# KiCad board RADAR_Main_Board_FIXED.kicad_pcb (continued)
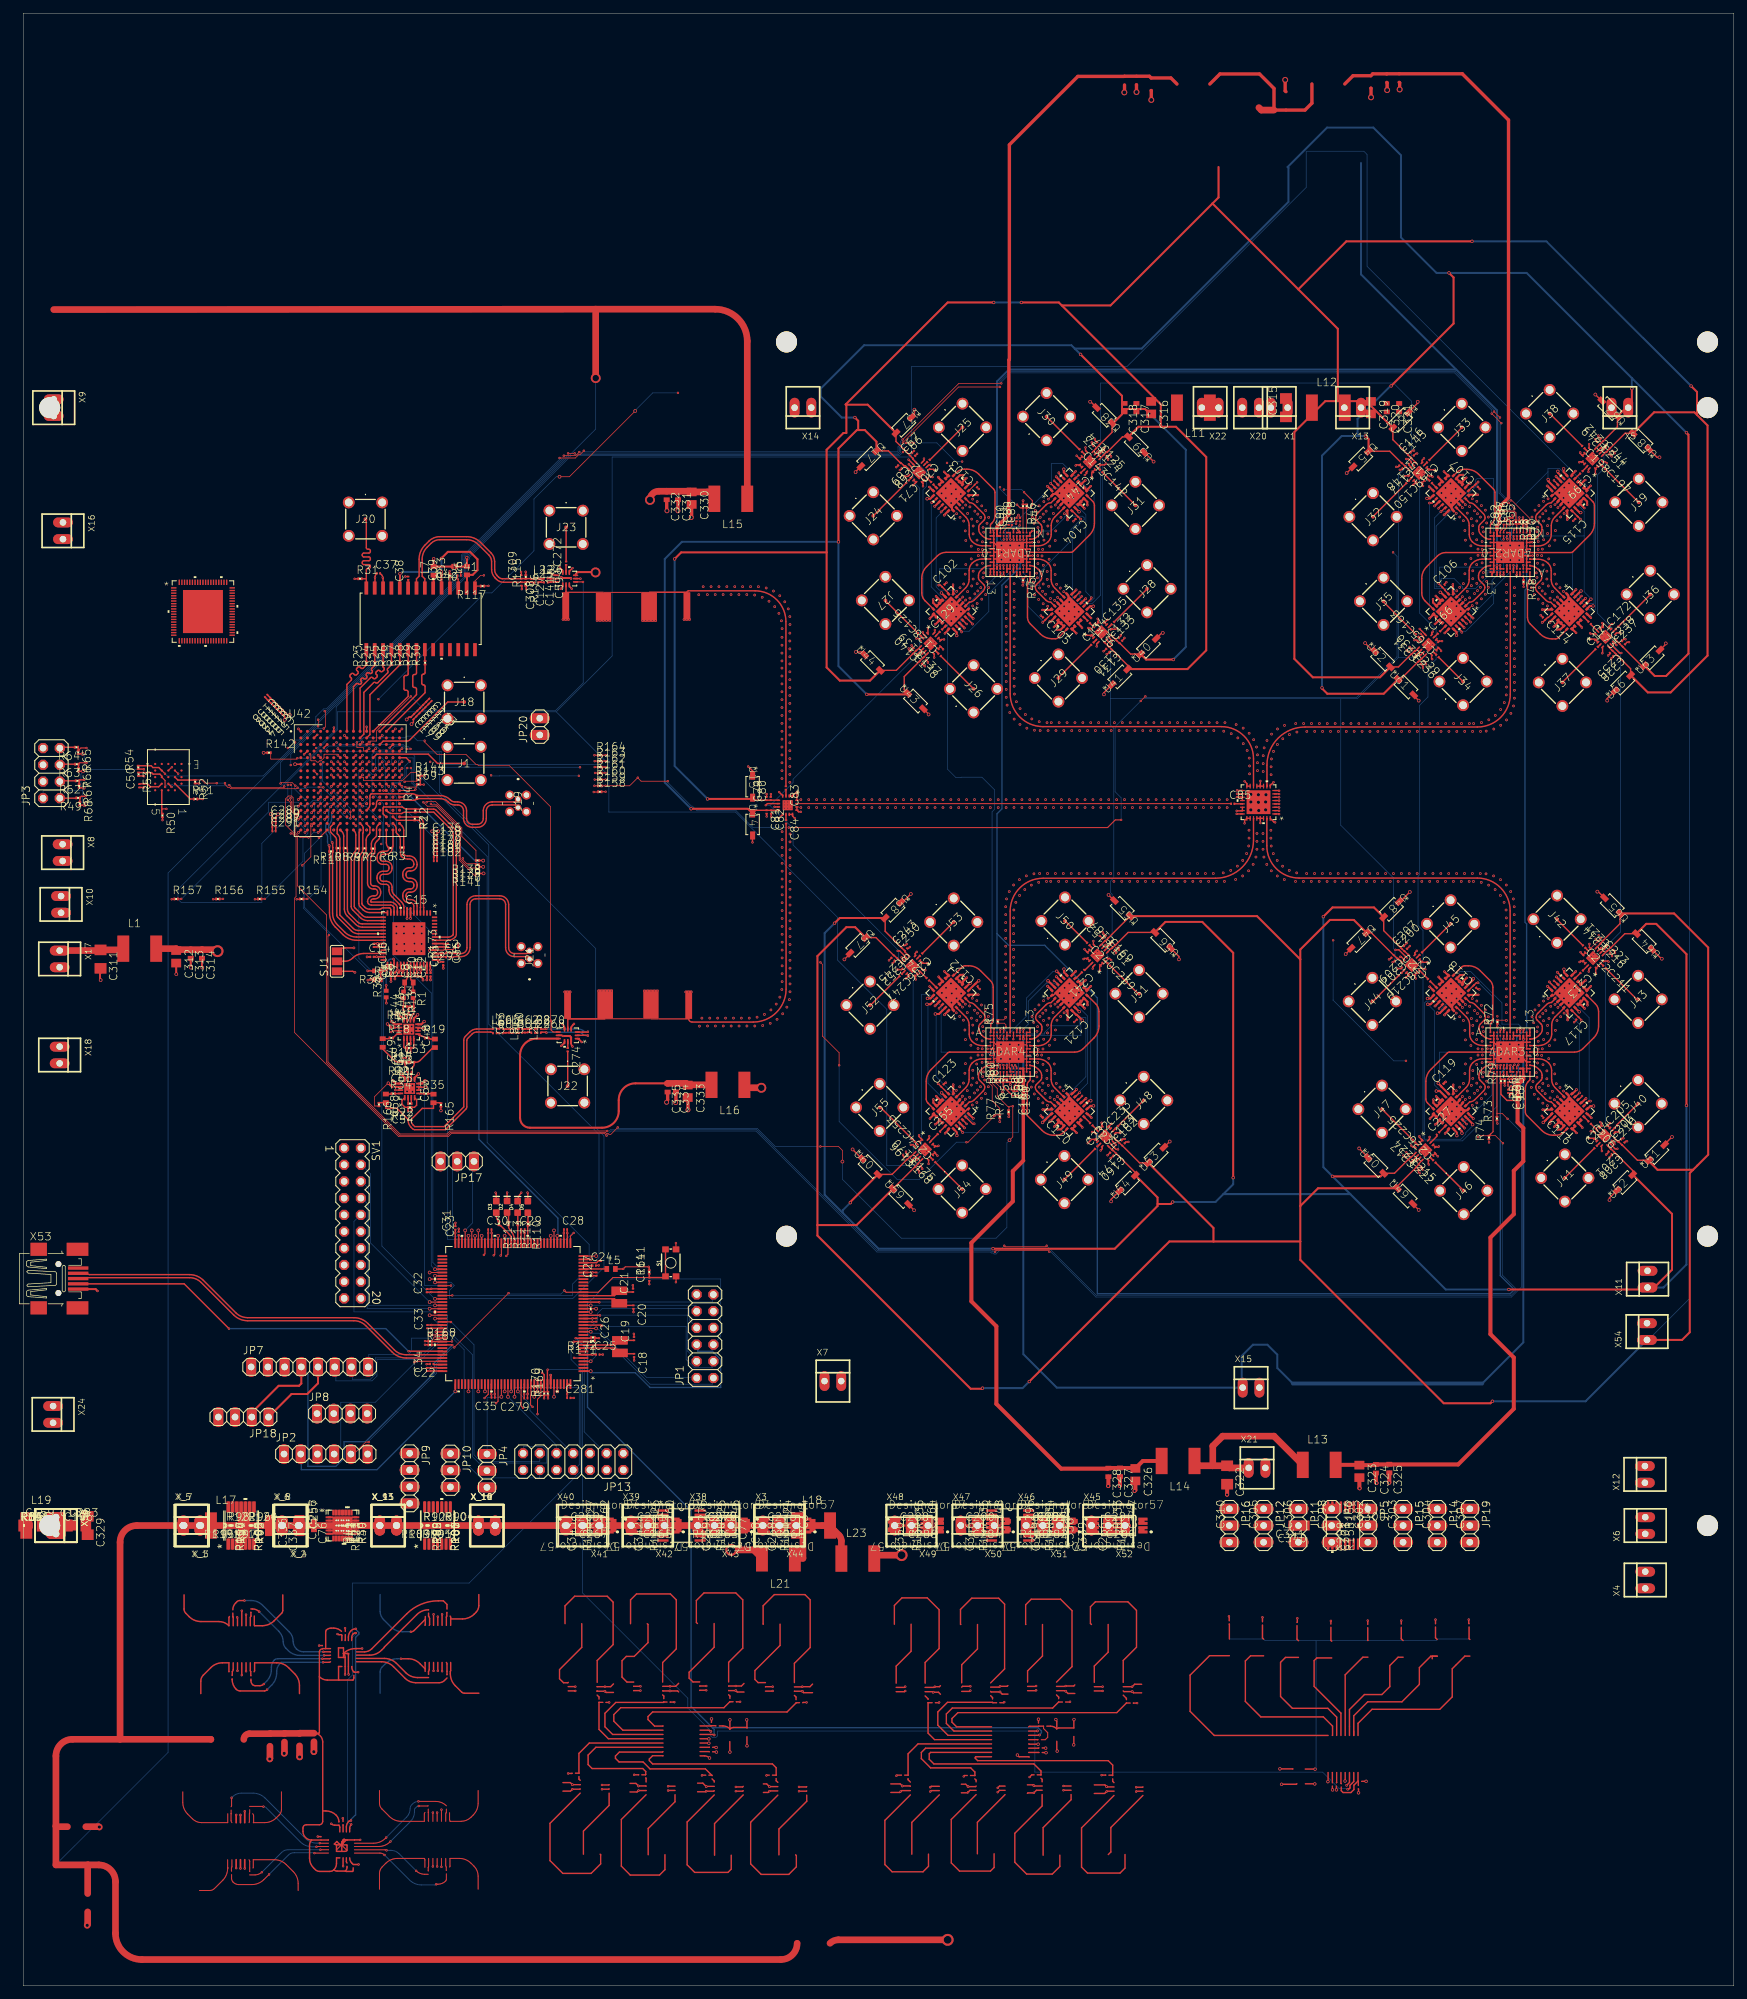
[diagram p0: board, top side]
## Routing (per net, layer and track width the routed paths; a pad name or vN(x,y) marks a point on that pad's centre or on a via; arc(x,y) is an arc through that point) (continued)
RX3_1: length 9
  Top w0.204: ADAR1_0.E1 153,216.98 154.24,216.98 arc(155.07,216.82) 155.77,216.35 arc(156.11,215.84) 156.23,215.23 156.23,213.87 arc(156.37,213.19) 156.76,212.6 158.13,211.23 ; 158.17,211.19 158.13,211.23 ; 158.13,211.23 158.15,211.25 ADTR1107_2.2
RX3_2: length 9.1
  Top w0.204: 234.18,211.17 234.12,211.22 ; 234.12,211.22 234.15,211.25 ADTR1107_6.2 ; 234.12,211.22 232.77,212.58 arc(232.38,213.17) 232.24,213.85 232.24,215.21 arc(232.12,215.82) 231.78,216.33 arc(231.08,216.8) 230.25,216.96 229.01,216.96 ADAR2_0.E1
RX3_3: length 9.1
  Top w0.204: 223.07,143 ADAR3_0.E1 221.83,143 arc(221,143.16) 220.3,143.63 arc(219.96,144.14) 219.84,144.75 219.84,146.11 arc(219.7,146.79) 219.31,147.38 217.9,148.79 217.85,148.75 ADTR1107_11.2
RX3_4: length 9
  Top w0.204: 141.85,148.75 ADTR1107_15.2 ; 141.85,148.75 141.83,148.77 ; 141.85,148.75 143.24,147.36 arc(143.63,146.77) 143.77,146.09 143.77,144.73 arc(143.89,144.12) 144.23,143.61 arc(144.93,143.14) 145.76,142.98 147,142.98 ADAR4_0.E1
RX4_1: length 9
  Top w0.204: 156.81,226.14 156.8,226.15 ADTR1107_4.2 ; 156.81,226.14 156.83,226.16 ; 156.81,226.14 156.22,225.54 arc(155.81,225.46) 155.46,225.23 154.13,223.9 arc(153.93,223.6) 153.86,223.26 arc(153.9,223.05) 154.02,222.88 154.66,222.24 arc(154.78,222.06) 154.82,221.86 154.82,221.5 arc(154.74,221.09) 154.51,220.75 154.25,220.49 arc(153.7,220.12) 153.04,219.99 ADAR1_0.L1
RX4_2: length 9.1
  Top w0.204: ADAR2_0.L1 229.05,219.97 arc(229.71,220.1) 230.26,220.47 230.52,220.73 arc(230.75,221.07) 230.83,221.48 230.83,221.84 arc(230.79,222.04) 230.67,222.22 230.03,222.86 arc(229.91,223.03) 229.87,223.24 arc(229.94,223.58) 230.14,223.88 231.47,225.21 arc(231.82,225.44) 232.23,225.52 232.83,226.12 ; ADTR1107_8.2 232.8,226.15 232.83,226.12 ; 232.84,226.14 232.83,226.12
RX4_3: length 9
  Top w0.204: 219.26,133.84 219.25,133.85 ADTR1107_9.2 ; 219.26,133.84 219.85,134.44 arc(220.26,134.52) 220.61,134.75 221.94,136.08 arc(222.14,136.38) 222.21,136.72 arc(222.17,136.93) 222.05,137.1 221.41,137.74 arc(221.29,137.92) 221.25,138.12 221.25,138.48 arc(221.33,138.89) 221.56,139.23 221.82,139.49 arc(222.36,139.85) 223,139.99 ; 219.26,133.84 219.24,133.82 ; ADAR3_0.L1 223,139.99 ; 223,139.99 arc(223.02,139.99) 223.03,139.99
RX4_4: length 9.1
  Top w0.204: 143.17,133.8 143.23,133.87 ; 143.23,133.87 143.78,134.42 arc(144.19,134.5) 144.54,134.73 145.87,136.06 arc(146.07,136.36) 146.14,136.7 arc(146.1,136.91) 145.98,137.08 145.34,137.72 arc(145.22,137.9) 145.18,138.1 145.18,138.46 arc(145.26,138.87) 145.49,139.21 145.75,139.47 arc(146.3,139.84) 146.96,139.97 ADAR4_0.L1 ; 143.23,133.87 143.25,133.85 ADTR1107_13.2
STEPPER_CLK+: length 23.3
  Top w0.15: U2.119 70.66,89.96 v1(70.1,89.4)
  In7.Cu w0.1: v1(70.1,89.4) 70,89.5 70,87.5 59.75,77.25 59.75,74.5 58.75,73.5 JP9.4
STEPPER_CW+: length 17.8
  Top w0.152: U2.118 v5(70.16,90.4)
  In7.Cu w0.1: JP9.2 58.75,78.5 58.75,79 70,90.25 v5(70.16,90.4)
STM32_MISO1: length 161.8
  Top w0.15: U42.G14 v2(55.55,185.15)
  Top w0.152: U2.42 v5(80.66,114.88)
  In5.Cu w0.1: v5(80.66,114.88) 80.5,115 80.5,118 61.25,137.25 60.5,137.25 18.25,179.5 12,179.5 11,180.5 9.25,180.5 9,180.75 8.5,180.75 8.5,187.5 8.75,187.75 8.75,188.5 9.25,189 10,189 12.5,186.5 17.5,186.5 20.25,183.75 55,183.75 55,184.5 55.5,185 v2(55.55,185.15)
STM32_MISO4: length 43.7
  Top w0.152: U2.4 v5(86.24,94.98)
  In7.Cu w0.1: v5(86.24,94.98) 86.25,94.75 91,90 91,81 JP13.1
  Bottom w0.1: JP1.8 102.25,100.25 101.25,101.25 101.25,103 88,103 87.25,102.25 87.25,101.25 85.75,99.75 85.75,99.25 87,98 87,95.75 86.25,95 v5(86.24,94.98)
STM32_MISO_1V8: length 615.9
  Top w0.15: U42.N3 v2(43.81,178.41) ; v1(148.47,140.03) 148.5,140 ADAR4_0.M4
  Top w0.152: R164.2 88.49,187.14 v1(88.5,187.15)
  Top w0.2: v1(151.55,219.9) 151.5,219.95 ADAR1_0.M4 ; ADAR3_0.M4 224.5,139.98 v1(224.55,140.03) ; ADAR2_0.M4 227.53,220.48 v1(227.53,220)
  In5.Cu w0.1: v1(151.55,219.9) 151.5,219.75 150.25,218.5 148.5,218.5 147.75,219.25 145,219.25 141.25,215.5 118,215.5 114.25,211.75 113.75,211.75 89,187 ; 89,187 89,185.25 88.75,185 86.75,185 79.25,177.5 54.25,177.5 53.75,177 45.25,177 45.25,177.5 44.75,178 44.5,178 44,178.5 v2(43.81,178.41) ; 89,187 88.5,187 v1(88.5,187.15)
  In7.Cu w0.1: v1(227.53,220) 227.5,220 222.25,225.25 222.25,230.5 218.5,234.25 162.25,234.25 161.5,233.5 159.5,233.5 152.75,226.75 152.75,221.25 151.5,220 v1(151.55,219.9)
  Bottom w0.1: v1(151.55,219.9) 151.5,220 ADAR1_0.M4 154.25,220.5 154.5,220.75 154.5,221.25 156.25,221.25 158.25,223.25 158.25,223.5 161,223.5 161.25,223.25 161.25,223 159.5,221.25 159.5,210.25 162.5,210.25 163.75,211.5 163.75,243.75 208.25,243.75 211,241 211,230.25 212.25,229 212.25,208.75 214.75,206.25 214.75,201.75 213.5,200.5 213.5,196 212.25,194.75 212.25,169 212,168.75 212,161.25 212.75,160.5 212.75,128.5 218.75,128.5 224,133.75 224,139.5 224.5,140 v1(224.55,140.03) ; 148.5,140 v1(148.47,140.03) 146.5,142 139.5,142 139.5,149 137.75,150.75 136.5,150.75 136.5,127.75 136,127.25 136,126 136.25,125.75 136.25,125.5 135.5,124.75 131.25,124.75 131.25,148.5 123.75,156 123.75,162.5 115.75,170.5 115.75,171 108.25,178.5 89,178.5 89,186.5 88.5,187 v1(88.5,187.15)
STM32_MOSI1: length 159.9
  Top w0.15: U42.H13 v2(54.55,184.15)
  Top w0.152: U2.43 v5(80.16,114.06)
  In5.Cu w0.1: v5(80.16,114.06) 80,114.25 80,117.75 64.25,133.5 63.5,133.5 17.75,179.25 11.75,179.25 10.75,180.25 9,180.25 8.75,180.5 8.25,180.5 8.25,187.75 8.5,188 8.5,188.75 9,189.25 10.25,189.25 12.75,186.75 17.75,186.75 19.75,184.75 54,184.75 54.5,184.25 v2(54.55,184.15)
STM32_MOSI4: length 42.1
  Top w0.152: U2.5 83.72,95.48 v1(83.7,95.5)
  In5.Cu w0.1: JP1.7 104.75,100 103.25,98.5 88,98.5 85,95.5 v1(83.7,95.5)
  Bottom w0.1: JP13.3 88.5,81 85.25,84.25 85.25,95.5 v1(83.7,95.5)
STM32_MOSI_1V8: length 672.2
  Top w0.15: v1(148.97,140.03) 149,140 ADAR4_0.M5 ; U42.M1 v2(41.81,179.41)
  Top w0.152: v1(88.5,186.25) 87.88,186.25 R163.2
  Top w0.2: v1(225.05,140.03) 225,139.98 ADAR3_0.M5 ; ADAR1_0.M5 151,219.95 v1(151.05,219.9) ; v1(227.03,220) 227.03,220.48 ADAR2_0.M5
  In5.Cu w0.1: v1(88.5,186.25) 88,186.25 88,189 111,212 111.5,212 115.25,215.75 140.25,215.75 144.75,220.25 146.25,220.25 146.75,220.75 150.25,220.75 151,220 v1(151.05,219.9)
  In7.Cu w0.1: v1(227.03,220) 227,220 228.5,218.5 228.5,171 223.5,166 223.5,141.5 224.5,140.5 224.75,140.5 225,140.25 225,140 v1(225.05,140.03)
  Bottom w0.1: v1(227.03,220) 227,220 229,218 235.5,218 235.5,211.75 238,209.25 239,209.25 239,226.75 204.25,261.5 204.25,278.5 203.75,279 195,279 195,273.5 167.75,246.25 135,246.25 135,232.5 ; v2(41.81,179.41) 41.75,179.25 36.25,173.75 36.25,164.75 24,164.75 23.5,165.25 23.5,166.75 47.75,191 47.75,193.75 81,193.75 ; 149,140 v1(148.97,140.03) 147,142 147,147 147.25,147.25 147.25,178.54 147.62,178.91 147.62,181.9 145.71,183.8 142.56,183.8 142.54,183.79 141.71,183.79 140.5,185 140.5,207.25 136.75,211 136.75,227.5 137.25,228 137.25,230.25 135,232.5 ; 135,232.5 89.5,232.5 89.5,202.25 81,193.75 ; 81,193.75 v1(88.5,186.25)
STM32_NRST: length 65
  Top w0.1: v1(73.75,105.35) v1(65.5,97.1) ; v1(52.5,82.7) 52.05,82.7 50.25,80.9 49.8,80.9 JP2.5
  Top w0.15: v1(82.23,105.75) 82.24,105.75 82.5,105.48 U2.25 87.38,105.48 89.62,107.72 C164.2
  Top w0.204: S1.3 S1.4 arc(97.41,107.77) 97.18,107.72 C164.2 R111.1
  Bottom w0.1: v1(82.23,105.75) 82.2,105.7 81.7,105.2 73.9,105.2 v1(73.75,105.35) ; v1(65.5,97.1) 65.25,97.1 62.8,94.65 62.8,93.15 52.5,82.85 v1(52.5,82.7)
STM32_OSC_32_N: length 8.1
  Top w0.204: U2.8 85.15,97 89.94,97 XTAL3.2 90.81,96.13 C18.1
STM32_OSC_32_P: length 8
  Top w0.204: U2.9 85.15,97.46 89.98,97.46 XTAL3.1 92.81,98.16 C19.1
STM32_OSC_N: length 8
  Top w0.204: U2.23 85.15,104.5 89.85,104.5 90.55,103.8 XTAL1.2 90.9,103.48 C20.1
STM32_OSC_P: length 7.9
  Top w0.204: C21.1 90.76,105.52 XTAL1.1 90.58,105.69 89.85,104.96 85.15,104.96 U2.24
STM32_RX3: length 14.1
  Top w0.152: U2.70 v1(66.66,113.96)
  Bottom w0.1: JP17.2 65.75,125.25 65.25,124.75 65.25,114 66.5,114 v1(66.66,113.96)
STM32_RX5: length 22.1
  Top w0.152: U2.116 v5(69.16,90.4)
  In5.Cu w0.1: JP8.3 49.75,87.25 50.5,88 66.75,88 69,90.25 v5(69.16,90.4)
STM32_SCL1: length 88.3
  Top w0.204: 49.1,23.41 49.1,24.16 arc(49.19,24.61) 49.45,25 49.46,25.01 arc(49.62,25.11) 49.8,25.15 arc(49.8,25.15) v1(49.8,25.14) ; v1(50.55,54.3) 50.52,54.3 arc(50.13,54.22) 49.8,54 arc(49.51,53.57) 49.41,53.06 49.41,52.52 ; v1(78.85,93.25) 79.16,92.94 U2.136 79.16,90.35 arc(79.16,90.34) R170.2
  In7.Cu w0.204: v1(78.85,93.25) 78.75,93.25 75.25,89.75 75.25,87.25 66,78 66,72.75 50.5,57.25 50.5,54.25 v1(50.55,54.3)
  Bottom w0.204: v1(49.8,25.14) 49.75,25.25 50.5,26 50.5,53 51,53.5 51,53.75 50.5,54.25 v1(50.55,54.3)
STM32_SCL2: length 178.3
  Top w0.204: v1(83.95,98.5) 83.97,98.48 U2.11 85.99,98.48 arc(86.17,98.52) R172.2 ; v2(201.15,30.5) 201.57,30.93 201.57,32.44 ; 152.81,38.09 154.31,38.09 arc(154.39,38.11) 154.45,38.15 arc(154.45,38.15) v2(154.45,38.15) ; 102.86,38.23 104.81,38.23 arc(104.91,38.21) v2(105,38.15)
  In5.Cu w0.204: v2(201.15,30.5) 197.25,30.5 191.75,36 157.5,36 155.5,38 154.5,38 v2(154.45,38.15)
  Bottom w0.204: 104.75,39.25 105,39 v2(105,38.15) ; 104.75,39.25 154.25,39.25 154.75,38.75 154.75,38.5 154.5,38.25 v2(154.45,38.15) ; 104.75,39.25 101.5,42.5 101.5,72.25 85.75,88 85.75,96.75 84,98.5 v1(83.95,98.5)
STM32_SCL3: length 63.2
  Top w0.204: R167.2 U2.100 65.17,97.48 v1(65.2,97.45)
  Top w0.3: JP7.4 42.25,91.6 41.9,91.25 38.8,91.25 34.72,87.17 JP18.2
  Bottom w0.204: JP7.4 42.25,94 43.25,93 43.25,79 47.5,79 48.75,80.25 48.75,82.75 52,82.75 62.5,93.25 62.5,94.75 v1(65.2,97.45) 65.25,97.5
STM32_SCLK1: length 79.9
  Top w0.204: U2.41 v5(81.16,114.06) ; U42.J16 v2(57.55,182.41)
  Bottom w0.204: v2(57.55,182.41) 57.5,182.25 69.25,170.5 69.25,128.75 81.25,116.75 81.25,114.25 v5(81.16,114.06)
STM32_SCLK4: length 49.9
  Top w0.204: U2.1 v5(86.24,93.48)
  In5.Cu w0.204: v5(86.24,93.48) 86.25,93.25 87.25,93.25 87.25,81 88.25,80 89.5,80 91,78.5 JP13.2
  Bottom w0.204: JP1.6 102.5,97.5 102.5,96.5 104.75,96.5 106,95.25 106,91 95.25,91 93,93.25 86.25,93.25 v5(86.24,93.48)
STM32_SCLK_1V8: length 481
  Top w0.204: v1(88.5,185.35) 88.49,185.34 R162.2 ; ADAR4_0.M6 149.5,139.98 v1(149.47,140) ; v1(150.55,219.93) 150.5,219.98 ADAR1_0.M6 ; ADAR3_0.M6 225.5,139.95 v1(225.55,140) ; ADAR2_0.M6 226.53,220.48 v1(226.53,220.03) ; U42.P5 v2(45.81,177.41)
  In5.Cu w0.204: v1(88.5,185.35) 88.5,185.5 88.25,185.75 68.5,185.75 60.75,178 47.5,178 47,177.5 46,177.5 v2(45.81,177.41)
  In7.Cu w0.204: v1(88.5,185.35) 88.5,185.5 102.25,199.25 102.25,212.5 124,234.25 143,234.25 149.5,227.75 149.5,221.25 150.5,220.25 150.5,220 v1(150.55,219.93)
  Bottom w0.204: 148,160 148,178.25 148.75,179 148.75,213 151.5,215.75 151.5,216.25 152,216.75 152,218 151.5,218.5 150.5,218.5 150.5,220 v1(150.55,219.93) ; 148,160 149.75,158.25 155.25,158.25 163.25,150.25 163.25,105.25 226,105.25 226.5,105.75 226.5,106 224.5,108 224.5,138.75 225.5,139.75 225.5,140 ; 148,160 148,141.5 148.75,141.5 149.5,140.75 149.5,140 v1(149.47,140) ; 225.5,140 v1(225.55,140) ; 225.5,140 225.5,141.25 225.75,141.5 226.75,141.5 226.75,143.5 227,143.75 227,144.25 227.75,145 228.5,145 228.5,161.5 228.25,161.75 228.25,212.25 228.5,212.5 228.5,217.5 227.5,218.5 226.5,218.5 226.5,220 v1(226.53,220.03)
STM32_SDA1: length 106.7
  Top w0.204: v1(79.7,93.7) 79.66,93.66 U2.137 79.66,90.47 arc(79.68,90.39) R169.2 ; 49.6,23.41 49.6,23.95 arc(49.67,24.27) 49.85,24.55 arc(49.84,24.55) v1(49.84,24.56) ; 49.91,52.52 49.91,52.97 arc(49.97,53.28) 50.15,53.55 arc(50.26,53.62) 50.39,53.65 v1(50.55,53.65)
  Bottom w0.1: v1(79.7,93.7) 79.75,93.75 84.75,93.75 84.75,78.25 67.75,61.25 50,61.25 50,53 ; 50,53 50.5,53.5 v1(50.55,53.65) ; 50,53 50,47.25 49.25,46.5 49.25,25 49.75,24.5 v1(49.84,24.56)
STM32_SDA2: length 183.6
  Top w0.2: 152.81,38.74 154.13,38.74 arc(154.14,38.75) 154.15,38.75 arc(154.15,38.76) v2(154.14,38.77) ; 102.86,38.88 104.07,38.88 arc(104.3,38.83) v2(104.5,38.7)
  Top w0.204: v2(201.3,29.9) 201.45,29.9 201.65,30.1 201.65,30.5 202.22,31.07 202.22,32.44 ; v1(83.65,97.95) 83.68,97.98 U2.10 86.11,97.98 arc(86.23,98) R171.2
  Bottom w0.1: 153.75,38.75 154,38.75 v2(154.14,38.77) ; 153.75,38.75 153.75,32.5 197.5,32.5 200,30 201.25,30 v2(201.3,29.9) ; 153.75,38.75 105.5,38.75 105.5,38 105.25,37.75 104.75,37.75 104.5,38 v2(104.5,38.7) 104.5,38.75 101,42.25 101,43.75 85,59.75 85,94 84.5,94 83.25,95.25 83.25,97.75 83.5,98 v1(83.65,97.95)
STM32_SDA3: length 37.2
  Top w0.15: v1(65.15,98) 65.13,97.98 U2.99
  Top w0.204: U2.99 62.2,97.98 arc(62.13,97.99) R168.2
  Top w0.3: JP18.1 40.76,90 43.15,90 44.79,91.64 JP7.5
  In5.Cu w0.1: JP7.5 45,94.25 46,95.25 62.25,95.25 65,98 v1(65.15,98)
STM32_SWCLK: length 31.8
  Top w0.204: U2.109 v5(65.66,90.4)
  Bottom w0.204: v5(65.66,90.4) 65.5,90.25 53.75,78.5 42.25,78.5 42.25,80.75 JP2.2
STM32_SWDIO: length 26.4
  Top w0.15: U2.105 59.58,94.98 v1(59.45,94.85)
  Bottom w0.1: v1(59.45,94.85) 59.5,94.75 53.5,88.75 48.25,88.75 48.25,82 47.25,81 JP2.4
STM32_SWO: length 30.9
  Top w0.152: U2.133 v5(77.66,89.58)
  In5.Cu w0.1: v5(77.66,89.58) 77.5,89.5 77,89 68.25,89 61.25,82 53.5,82 52.5,81 JP2.6
STM32_TX3: length 13
  Top w0.152: U2.69 v5(67.16,114.88)
  Bottom w0.1: JP17.1 68.25,125.25 68.25,116 67.25,115 v5(67.16,114.88)
STM32_TX5: length 23.1
  Top w0.152: U2.113 v5(67.66,90.4)
  In5.Cu w0.1: JP8.2 47.25,87.25 48.25,88.25 65.5,88.25 67.5,90.25 v5(67.66,90.4)
STM32_USB_FS_D_N: length 60
  Top w0.204: U2.103 58.17,95.98 arc(57.2,96.17) 56.38,96.72 52.37,100.73 arc(51.39,101.39) 50.24,101.61 34.09,101.61 arc(33.12,101.81) 32.29,102.36 27.37,107.28 arc(26.39,107.94) 25.24,108.16 10.1,108.16 arc(9.86,108.21) 9.65,108.35 arc(9.64,108.36) 9.63,108.36 X53.2
STM32_USB_FS_D_P: length 60
  Top w0.204: U2.104 58.21,95.48 arc(57.06,95.71) 56.08,96.36 52.04,100.41 arc(51.21,100.96) 50.24,101.15 34.09,101.15 arc(32.94,101.38) 31.96,102.03 27.04,106.96 arc(26.21,107.51) 25.24,107.7 8.67,107.7 arc(8.49,107.66) X53.3
STM32_USB_FS_ID: length 59.6
  Top w0.204: U2.102 63.69,96.48 ; 63.69,96.48 63.69,96.48 ; 63.69,96.48 63.65,96.52 v1(58.55,96.52) ; X53.4 24.44,106.76 v1(31.25,99.95)
  Bottom w0.204: v1(58.55,96.52) 58.55,96.5 55.1,99.95 v1(31.25,99.95)
TR_SW_POS_1: length 81.5
  Top w0.2: ADTR1107_3.20 138.2,225.58 v2(138.07,225.58) ; ADTR1107_1.20 142.62,206 v2(142.62,205.9) ; ADTR1107_4.20 157.4,229.98 v2(157.4,230.1) ; v2(162.32,211.1) 162.32,210.95 ADTR1107_2.20 ; v1(151.05,216.05) 151,216 ADAR1_0.B5
  Bottom w0.1: v2(157.4,230.1) 157.5,230 157.5,227.75 ; 151,216 151,216.5 149.5,218 149.5,219 148.5,220 148.5,222.75 151,222.75 156,227.75 157.5,227.75 ; 151,216 v1(151.05,216.05) ; 151,216 146.75,211.75 146.75,209 143.75,206 142.75,206 v2(142.62,205.9) 142.5,206 142.5,208.25 138,212.75 138,225.5 v2(138.07,225.58) ; 157.5,227.75 161.5,223.75 161.5,212 162.25,211.25 v2(162.32,211.1)
TR_SW_POS_2: length 80
  Top w0.2: v1(227.03,216) 227,215.98 ADAR2_0.B5 ; v2(213.72,225.5) 214.12,225.5 ADTR1107_7.20 ; ADTR1107_5.20 218.65,205.97 v2(218.65,205.85)
  Top w0.3: v3(238.27,210.88) 238.25,210.88 ADTR1107_6.20 ; ADTR1107_8.20 233.25,230.13 v3(233.25,230.33)
  Bottom w0.1: v2(213.72,225.5) 213.75,225.5 213.75,210 217.75,206 218.75,206 ; 218.75,206 v2(218.65,205.85) ; 218.75,206 219.25,206 223.5,210.25 223.5,212.5 227,216 ; 237.25,220.5 237.25,224.25 236,225.5 236,226.75 233.5,229.25 233.5,230 233.25,230.25 v3(233.25,230.33) ; 237.25,220.5 226.5,220.5 226,220 226,219.75 225.5,219.25 225.5,218 227,216.5 227,216 ; 237.25,220.5 237.25,212 238.25,211 v3(238.27,210.88) ; 227,216 v1(227.03,216)
TR_SW_POS_3: length 80.1
  Top w0.2: v2(238.2,134.55) 237.93,134.55 ADTR1107_10.20 ; v2(233.17,154.15) 234.12,153.21 ADTR1107_12.20 ; ADAR3_0.B5 225,144.03 v1(224.97,144)
  Top w0.3: ADTR1107_11.20 213.9,149.28 v3(213.47,149.28) ; ADTR1107_9.20 218.67,129.95 v3(218.67,129.68)
  In7.Cu w0.1: v1(224.97,144) 225,144 ADAR3_0.B5 227.5,147 227.5,149.5 232.25,154.25 233,154.25 v2(233.17,154.15)
  Bottom w0.1: 238.25,134.5 v2(238.2,134.55) 238,134.75 238,147.25 233.5,151.75 233.5,153.75 233.25,154 v2(233.17,154.15) ; v3(218.67,129.68) 218.5,129.75 218.5,130.75 219.25,131.5 ; v1(224.97,144) 225,144 225,143 224.5,142.5 223.75,142.5 223.75,140.25 223.25,139.75 223.25,135.5 219.25,131.5 ; 219.25,131.5 216.75,134 216.75,134.75 214.5,137 214.5,148.25 v3(213.47,149.28)
TR_SW_POS_4: length 88.7
  Top w0.15: ADAR4_0.B5 149,144.03 v1(148.95,143.98)
  Top w0.2: v2(142.78,129.78) 142.78,129.85 ADTR1107_13.20
  Top w0.3: ADTR1107_16.20 157.08,154.3 v3(157.07,154.3) ; v3(137.35,149.28) 137.9,149.28 ADTR1107_15.20 ; ADTR1107_14.20 161.98,134.6 v3(162.25,134.6)
  Bottom w0.1: v3(137.35,149.28) 137.5,149.25 137.5,137.25 142.25,132.5 142.25,130.25 142.75,129.75 ; 149,144 v1(148.95,143.98) ; 149,144 152.5,147.5 152.5,150.25 156.5,154.25 157,154.25 v3(157.07,154.3) 157.25,154.25 157.25,154 158.25,154 162.25,150 v3(162.25,134.6) ; 149,144 149,143.5 150.25,142.25 150.25,141.25 151.25,140.25 151.25,129.75 142.75,129.75 ; 142.75,129.75 v2(142.78,129.78)
TX1_1: length 9
  Top w0.204: ADTR1107_3.5 143.82,225.55 arc(144.23,225.47) 144.58,225.24 145.91,223.91 arc(146.11,223.61) 146.18,223.27 arc(146.14,223.06) 146.02,222.89 145.38,222.25 arc(145.26,222.07) 145.22,221.87 145.22,221.51 arc(145.3,221.1) 145.53,220.76 145.79,220.5 arc(146.34,220.13) ADAR1_0.L13
TX1_2: length 9.1
  Top w0.204: ADAR2_0.L13 223,219.98 ; 223,219.98 arc(222.35,220.11) 221.8,220.48 221.54,220.74 arc(221.31,221.08) 221.23,221.49 221.23,221.85 arc(221.27,222.05) 221.39,222.23 222.03,222.87 arc(222.15,223.04) 222.19,223.25 arc(222.12,223.59) 221.92,223.89 220.59,225.22 arc(220.24,225.45) 219.83,225.53 219.23,226.13 ; 223,219.98 arc(223,219.98) 223.01,219.98 ; 219.23,226.13 219.25,226.15 ADTR1107_7.5 ; 219.23,226.13 219.22,226.15
TX1_3: length 9.1
  Top w0.204: ADAR3_0.L13 229.07,139.98 arc(229.73,139.85) 230.28,139.48 230.54,139.22 arc(230.77,138.88) 230.85,138.47 230.85,138.11 arc(230.81,137.91) 230.69,137.73 230.05,137.09 arc(229.93,136.92) 229.89,136.71 arc(229.96,136.37) 230.16,136.07 231.49,134.74 arc(231.84,134.51) 232.25,134.43 232.81,133.86 ; 232.86,133.81 232.81,133.86 ; 232.81,133.86 232.8,133.85 ADTR1107_10.5
TX1_4: length 9.1
  Top w0.204: 156.74,133.84 156.18,134.41 arc(155.77,134.49) 155.42,134.72 154.09,136.05 arc(153.89,136.35) 153.82,136.69 arc(153.86,136.9) 153.98,137.07 154.62,137.71 arc(154.74,137.89) 154.78,138.09 154.78,138.45 arc(154.7,138.86) 154.47,139.2 154.21,139.46 arc(153.66,139.83) 153,139.96 ADAR4_0.L13 ; 156.74,133.84 156.79,133.79 ; 156.74,133.84 156.75,133.85 ADTR1107_14.5
TX2_1: length 9
  Top w0.204: 141.82,211.2 ADTR1107_1.5 ; ADTR1107_1.5 141.86,211.24 ; ADTR1107_1.5 141.85,211.25 141.86,211.24 ; 141.86,211.24 143.23,212.61 arc(143.62,213.2) 143.76,213.88 143.76,215.24 arc(143.88,215.85) 144.22,216.36 arc(144.92,216.83) 145.75,216.99 146.99,216.99 ADAR1_0.E13
TX2_2: length 9.1
  Top w0.204: ADAR2_0.E13 223,216.97 221.76,216.97 arc(220.93,216.81) 220.23,216.34 arc(219.89,215.83) 219.77,215.22 219.77,213.86 arc(219.63,213.18) 219.24,212.59 217.88,211.22 ; 217.88,211.22 217.85,211.25 ADTR1107_5.5 ; 217.88,211.22 217.83,211.18
TX2_3: length 9.1
  Top w0.204: ADTR1107_12.5 234.2,148.75 234.21,148.74 ; 234.25,148.78 234.21,148.74 ; 234.21,148.74 232.84,147.37 arc(232.45,146.78) 232.31,146.1 232.31,144.74 arc(232.19,144.13) 231.85,143.62 arc(231.15,143.15) 230.32,142.99 229.08,142.99 ADAR3_0.E13
TX2_4: length 9
  Top w0.204: 158.16,148.74 158.15,148.75 ADTR1107_16.5 ; 158.16,148.74 158.18,148.76 ; 158.16,148.74 156.77,147.35 arc(156.38,146.76) 156.24,146.08 156.24,144.72 arc(156.12,144.11) 155.78,143.6 arc(155.08,143.13) 154.25,142.97 153.01,142.97 ADAR4_0.E13
TX3_1: length 9
  Top w0.204: 156.75,209.85 156.18,210.43 arc(155.77,210.51) 155.42,210.74 154.09,212.07 arc(153.89,212.37) 153.82,212.71 arc(153.86,212.92) 153.98,213.09 154.62,213.73 arc(154.74,213.91) 154.78,214.11 154.78,214.47 arc(154.7,214.88) 154.47,215.22 154.21,215.48 arc(153.66,215.85) 153,215.98 ADAR1_0.C1 ; 156.75,209.85 ADTR1107_2.5 ; 156.75,209.85 156.79,209.81
TX3_2: length 9.1
  Top w0.204: ADTR1107_6.5 232.75,209.85 232.75,209.85 ; 232.75,209.85 232.19,210.41 arc(231.78,210.49) 231.43,210.72 230.1,212.05 arc(229.9,212.35) 229.83,212.69 arc(229.87,212.9) 229.99,213.07 230.63,213.71 arc(230.75,213.89) 230.79,214.09 230.79,214.45 arc(230.71,214.86) 230.48,215.2 230.22,215.46 arc(229.67,215.83) 229.01,215.96 ADAR2_0.C1 ; 232.75,209.85 232.8,209.79
TX3_3: length 9
  Top w0.204: ADTR1107_11.5 219.25,150.15 219.28,150.17 219.89,149.55 arc(220.3,149.47) 220.65,149.24 221.98,147.91 arc(222.18,147.61) 222.25,147.27 arc(222.21,147.06) 222.09,146.89 221.45,146.25 arc(221.33,146.07) 221.29,145.87 221.29,145.51 arc(221.37,145.1) 221.6,144.76 221.86,144.5 arc(222.38,144.14) 223,144 ; ADAR3_0.C1 223,144 ; 223,144 arc(223.04,144) 223.07,144
TX3_4: length 9.1
  Top w0.204: 143.23,150.13 143.25,150.15 ADTR1107_15.5 ; 143.23,150.13 143.21,150.15 ; 143.23,150.13 143.82,149.53 arc(144.23,149.45) 144.58,149.22 145.91,147.89 arc(146.11,147.59) 146.18,147.25 arc(146.14,147.04) 146.02,146.87 145.38,146.23 arc(145.26,146.05) 145.22,145.85 145.22,145.49 arc(145.3,145.08) 145.53,144.74 145.79,144.48 arc(146.34,144.11) 147,143.98 ADAR4_0.C1
TX4_1: length 9
  Top w0.204: ADTR1107_4.5 158.15,224.75 158.15,224.75 ; ADAR1_0.J1 153.01,218.99 154.25,218.99 arc(155.08,219.15) 155.78,219.62 arc(156.12,220.13) 156.24,220.74 156.24,222.1 arc(156.38,222.78) 156.77,223.37 158.15,224.75 ; 158.15,224.75 158.18,224.78
TX4_2: length 9.1
  Top w0.204: 234.19,224.76 234.16,224.74 ; 234.16,224.74 232.78,223.35 arc(232.39,222.76) 232.25,222.08 232.25,220.72 arc(232.13,220.11) 231.79,219.6 arc(231.09,219.13) 230.26,218.97 229.02,218.97 ADAR2_0.J1 ; 234.16,224.74 234.15,224.75 ADTR1107_8.5
TX4_3: length 9.1
  Top w0.204: 217.89,135.2 217.9,135.2 ; 217.9,135.2 217.85,135.25 ADTR1107_9.5 ; 217.9,135.2 219.3,136.61 arc(219.69,137.2) 219.83,137.88 219.83,139.24 arc(219.95,139.85) 220.29,140.36 arc(220.99,140.83) 221.82,140.99 223,140.99 ; 223,140.99 223.06,140.99 ; 223,140.99 ADAR3_0.J1
TX4_4: length 9.1
  Top w0.204: ADAR4_0.J1 146.99,140.97 145.75,140.97 arc(144.92,140.81) 144.22,140.34 arc(143.88,139.83) 143.76,139.22 143.76,137.86 arc(143.62,137.18) 143.23,136.59 141.87,135.23 ; ADTR1107_13.5 141.85,135.25 141.87,135.23 ; 141.87,135.23 141.82,135.18
VG_1: length 11.4
  Top w0.204: 24.43,59.45 24.43,57.3 arc(24.5,56.95) 24.7,56.65 25.21,56.14 arc(26.03,55.59) 27,55.4 29.73,55.4 arc(30.55,55.24) 31.25,54.77 31.25,55.99 arc(31.27,56.09) 31.32,56.17
VG_2: length 8.4
  Top w0.204: 64.95,55.8 64.95,54.82 ; 64.95,55.8 66.75,55.8 arc(67.72,55.99) 68.54,56.54 68.8,56.8 arc(69.12,57.28) 69.23,57.84 69.23,59.5 ; 64.95,55.8 64.95,56.05 arc(64.93,56.15) 64.88,56.23
VG_3: length 9.1
  Top w0.204: 35.1,56.23 35.1,54.88 arc(35.12,54.82) 35.15,54.77 36.32,54.77 arc(37.29,54.96) 38.11,55.51 39.25,56.65 arc(39.38,56.85) 39.43,57.08 39.43,59.45
VG_4: length 13.1
  Top w0.204: 61.1,55.75 61.1,54.95 arc(61.09,54.88) 61.05,54.82 ; 61.1,55.75 61.1,56.17 ; 61.1,55.75 59.39,54.03 arc(59.19,53.9) 58.95,53.85 v1(58.9,53.85)
  Bottom w0.204: 54.23,59.5 54.23,56.96 arc(54.37,56.28) 54.75,55.7 55.86,54.59 arc(56.68,54.04) 57.65,53.85 v1(58.9,53.85)
VG_5: length 11.3
  Top w0.204: 41.97,44.45 41.97,45.68 arc(41.78,46.65) 41.23,47.47 40.31,48.39 arc(39.49,48.94) 38.52,49.13 35.15,49.13 35.15,47.95 arc(35.13,47.85) 35.07,47.77
VG_6: length 12.9
  Top w0.204: v1(57.4,49.75) 58.47,49.75 arc(59.44,49.56) 60.27,49.01 61.07,48.2 ; 61.07,48.2 61.07,49.12 arc(61.07,49.15) 61.05,49.18 ; 61.07,48.2 61.07,47.83
  Bottom w0.204: 54.23,44.5 54.23,47.73 arc(54.31,48.15) 54.55,48.5 55.06,49.01 arc(55.88,49.56) 56.85,49.75 v1(57.4,49.75)
VG_7: length 8.8
  Top w0.204: 26.97,44.45 26.97,46.33 arc(27.07,46.83) 27.35,47.25 28.49,48.39 arc(29.31,48.94) 30.28,49.13 31.25,49.13 31.25,47.79 arc(31.25,47.79) 31.26,47.78
VG_8: length 7.8
  Top w0.204: 69.23,44.5 67.01,44.5 arc(66.82,44.54) 66.65,44.65 65.65,45.65 arc(65.1,46.48) 64.91,47.45 64.91,47.82 arc(64.94,47.87) 64.95,47.93 64.95,49.18
VG_9: length 11.5
  Top w0.15: 31.06,26.17 31.06,24.86 arc(31.06,24.84) 31.05,24.82 27.1,24.82 arc(26.34,24.97) 25.7,25.4 24.97,26.13 arc(24.42,26.95) 24.23,27.92 24.23,29.5
VG_10: length 9.1
  Top w0.15: 69.13,29.7 69.13,27.78 arc(68.94,26.81) 68.39,25.99 68.05,25.65 arc(67.35,25.18) 66.53,25.02 64.9,25.02 ; 64.85,25.02 64.9,25.02 ; 64.9,25.02 arc(64.81,25.15) 64.78,25.3 64.78,26.33
VG_11: length 9.3
  Top w0.15: 39.23,29.5 39.23,26.8 arc(39.14,26.37) 38.9,26 38.46,25.56 arc(37.64,25.01) 36.67,24.82 35,24.82 ; 35,24.82 35,25.85 arc(34.96,26.03) 34.87,26.18 ; 35,24.82 34.95,24.82
VG_12: length 11.4
  Top w0.15: 54.13,29.7 54.13,27.79 arc(54.23,27.31) 54.5,26.9 55.64,25.76 arc(56.46,25.21) 57.43,25.02 60.95,25.02 60.95,26.14 arc(60.97,26.26) 61.04,26.37
VG_13: length 11.1
  Top w0.15: 41.77,14.5 41.77,15.58 arc(41.58,16.55) 41.03,17.37 39.96,18.44 arc(39.14,18.99) 38.17,19.18 34.95,19.18 34.95,18 arc(34.94,17.96) 34.91,17.92
VG_14: length 11.7
  Top w0.15: 61.04,18.03 61.04,19.18 arc(61.01,19.29) 60.95,19.38 56.88,19.38 arc(55.91,19.19) 55.09,18.64 54.55,18.1 arc(54.24,17.63) 54.13,17.09 54.13,14.7
VG_15: length 7.5
  Top w0.15: 31.12,17.93 31.1,17.93 arc(31.07,17.94) 31.05,17.95 ; 26.77,14.5 28.33,14.5 arc(28.72,14.58) 29.05,14.8 30.31,16.06 arc(30.86,16.88) 31.05,17.85 31.05,17.95 ; 31.05,17.95 31.05,19.18
VG_16: length 9
  Top w0.15: 69.13,14.7 69.13,16.68 arc(68.97,17.5) 68.5,18.2 68.06,18.64 arc(67.24,19.19) 66.27,19.38 64.85,19.38 64.85,18.2 arc(64.84,18.13) 64.79,18.07

## Copper pours and planes (outline as drawn; the poured copper is in the pictures)
+1V0_FPGA on In3.Cu: 53.08,169.62 2.42,169.62 2.42,175.58 38.92,175.58 38.92,187.08 53.08,187.08
+1V8_CLOCK_F on In3.Cu: 67.1,152.4 27.9,152.4 27.9,159.1 67.1,159.1
+1V8_FPGA on In2.Cu: 65.08,153.42 49.42,153.42 49.42,161.62 2.42,161.62 2.42,168.58 36.6,168.58 36.6,186.58 65.08,186.58
+3V3 on In2.Cu: 91.58,73.78 212.58,73.78 212.58,11.42 77.42,11.42 77.42,69.92 0.42,69.92 0.42,98.08 57.42,98.08 57.42,118.08 91.58,118.08
+3V3_ADTR on In3.Cu: 245.65,181.35 144.65,181.35 144.65,162.15 242.65,162.15 242.65,87.65 255.15,87.65 255.15,53.85 112.35,53.85 112.35,233.65 245.65,233.65
+3V3_AN4_F on In3.Cu: 205.6,28.9 146.6,28.9 146.6,3.4 138.9,3.4 138.9,8.9 100.9,8.9 100.9,41.1 205.6,41.1
+3V3_AN5_F on In7.Cu: 109.7,61.4 90.1,61.4 90.1,49.6 122.6,49.6 122.6,40.9 87.1,40.9 87.1,34.6 121.6,34.6 121.6,26.4 78.4,26.4 78.4,68.1 109.7,68.1
+3V3_AN6_F on In7.Cu: 178.1,25.4 129.4,25.4 129.4,33.1 172.4,33.1 172.4,41.9 129.4,41.9 129.4,48.6 172.9,48.6 172.9,62.3 131.8,62.3 131.8,67.6 178.1,67.6
+3V3_FPGA on In7.Cu: 29.08,222.58 39.58,222.58 39.58,216.58 83.39,216.58 83.39,168.17 13.8,168.17 13.8,217.32 1.42,217.32 1.42,229.08 29.08,229.08
+3V3_VDD_SW on In7.Cu: 245.15,180.85 242.15,180.85 242.15,87.15 254.65,87.15 254.65,69.35 111.85,69.35 111.85,233.15 245.15,233.15
+5V0_0 on In2.Cu: 65.58,130.42 51.92,130.42 51.92,138.22 1.42,138.22 1.42,149.58 65.58,149.58
+5V0_PA_1 on In2.Cu: 130.65,253.15 180.65,253.15 180.65,221.65 199.35,221.65 199.35,253.15 223.65,253.15 223.65,215.85 181.15,215.85 181.15,192.35 114.35,192.35 114.35,284.15 130.65,284.15
+5V0_PA_2 on In2.Cu: 255.65,115.35 227.35,115.35 227.35,172.85 200.85,172.85 200.85,213.15 227.35,213.15 227.35,284.65 255.65,284.65
+5V0_PA_3 on In2.Cu: 223.65,103.35 131.15,103.35 131.15,83.35 119.35,83.35 119.35,157.15 223.65,157.15
+5V5_PA on In2.Cu: 18.5,58.1 67.1,58.1 67.1,46.5 19.1,46.5 19.1,27.9 68.7,27.9 68.7,16.1 10.5,16.1 10.5,59.1 2.9,59.1 2.9,62.9 18.5,62.9
-3V3_SW on In5.Cu: 246.15,181.35 145.15,181.35 145.15,162.15 243.15,162.15 243.15,87.65 255.65,87.65 255.65,37.35 112.85,37.35 112.85,233.65 246.15,233.65
-3V3_SW on In5.Cu: 248.55,157.95 227.95,157.95 227.95,183.05 248.55,183.05
-5V5_PA on In3.Cu: 66.9,46.5 19.1,46.5 19.1,27.9 68.7,27.9 68.7,16.3 10.5,16.3 10.5,47.3 2.3,47.3 2.3,51.3 13.5,51.3 13.5,58.1 66.9,58.1
GND on In1.Cu: 260.08,-0.08 -0.08,-0.08 -0.08,300.08 260.08,300.08
GND on In4.Cu: 260.08,-0.08 -0.08,-0.08 -0.08,300.08 260.08,300.08
GND on In6.Cu: 260.08,-0.08 -0.08,-0.08 -0.08,300.08 260.08,300.08
GND on In8.Cu: 260.08,-0.08 -0.08,-0.08 -0.08,300.08 260.08,300.08
